# Altium PCB H-00491.PcbDoc (part 1 of 2) (continued)
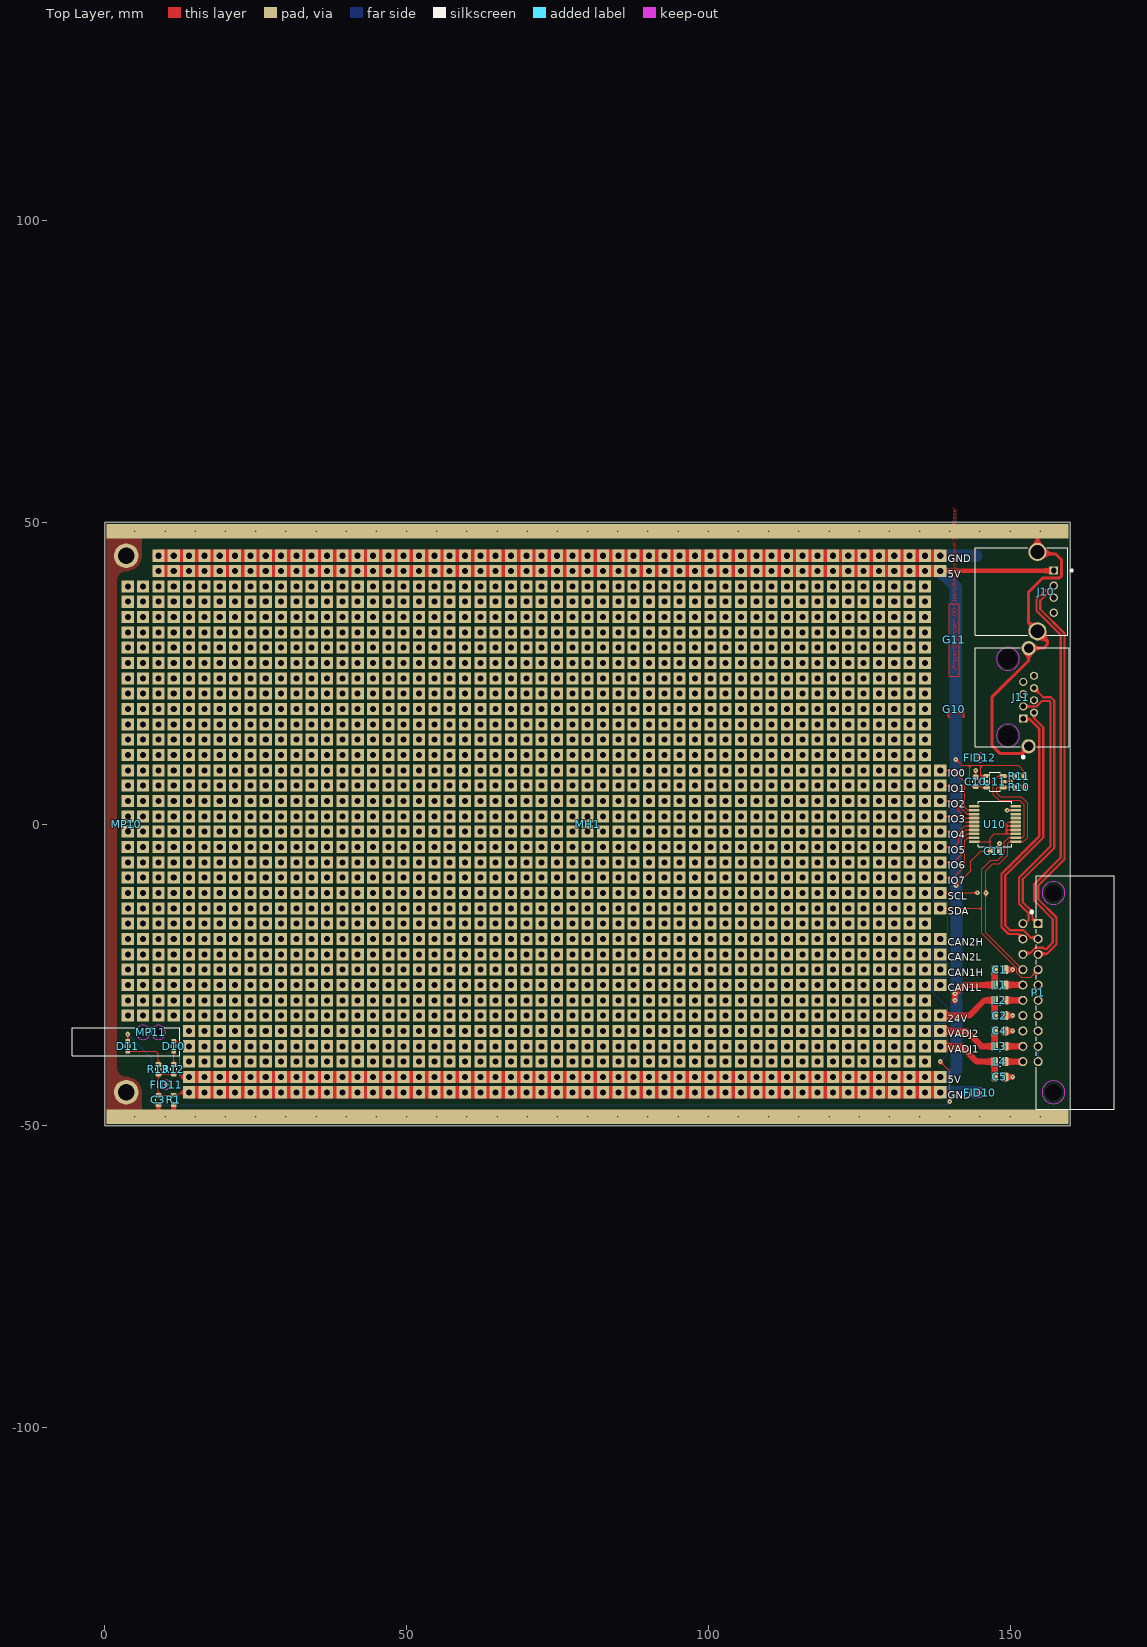
[diagram p0: Top Layer view]
## Free pads (board coordinates)
  rect 2x2 hole 1: 0(3.81,-31.75) 0(3.81,-29.21) 0(3.81,-26.67) 0(3.81,-24.13) 0(3.81,-21.59) 0(3.81,-19.05) 0(3.81,-16.51) 0(3.81,-13.97) 0(3.81,-11.43) 0(3.81,-8.89) 0(3.81,-6.35) 0(3.81,-3.81) 0(3.81,-1.27) 0(3.81,1.27) 0(3.81,3.81) 0(3.81,6.35) 0(3.81,8.89) 0(3.81,11.43) 0(3.81,13.97) 0(3.81,16.51) 0(3.81,19.05) 0(3.81,21.59) 0(3.81,24.13) 0(3.81,26.67) 0(3.81,29.21) 0(3.81,31.75) 0(3.81,34.29) 0(3.81,36.83) 0(3.81,39.37) 0(6.35,-31.75) 0(6.35,-29.21) 0(6.35,-26.67) 0(6.35,-24.13) 0(6.35,-21.59) 0(6.35,-19.05) 0(6.35,-16.51) 0(6.35,-13.97) 0(6.35,-11.43) 0(6.35,-8.89) 0(6.35,-6.35) 0(6.35,-3.81) 0(6.35,-1.27) 0(6.35,1.27) 0(6.35,3.81) 0(6.35,6.35) 0(6.35,8.89) 0(6.35,11.43) 0(6.35,13.97) 0(6.35,16.51) 0(6.35,19.05) 0(6.35,21.59) 0(6.35,24.13) 0(6.35,26.67) 0(6.35,29.21) 0(6.35,31.75) 0(6.35,34.29) 0(6.35,36.83) 0(6.35,39.37) 0(8.89,-31.75) 0(8.89,-29.21) 0(8.89,-26.67) 0(8.89,-24.13) 0(8.89,-21.59) 0(8.89,-19.05) 0(8.89,-16.51) 0(8.89,-13.97) 0(8.89,-11.43) 0(8.89,-8.89) 0(8.89,-6.35) 0(8.89,-3.81) 0(8.89,-1.27) 0(8.89,1.27) 0(8.89,3.81) 0(8.89,6.35) 0(8.89,8.89) 0(8.89,11.43) 0(8.89,13.97) 0(8.89,16.51) 0(8.89,19.05) 0(8.89,21.59) 0(8.89,24.13) 0(8.89,26.67) 0(8.89,29.21) 0(8.89,31.75) 0(8.89,34.29) 0(8.89,36.83) 0(8.89,39.37) 0(8.89,41.91) 0(8.89,44.45) 0(11.43,-31.75) 0(11.43,-29.21) 0(11.43,-26.67) 0(11.43,-24.13) 0(11.43,-21.59) 0(11.43,-19.05) 0(11.43,-16.51) 0(11.43,-13.97) 0(11.43,-11.43) 0(11.43,-8.89) 0(11.43,-6.35) 0(11.43,-3.81) 0(11.43,-1.27) 0(11.43,1.27) 0(11.43,3.81) 0(11.43,6.35) 0(11.43,8.89) 0(11.43,11.43) 0(11.43,13.97) 0(11.43,16.51) 0(11.43,19.05) 0(11.43,21.59) 0(11.43,24.13) 0(11.43,26.67) 0(11.43,29.21) 0(11.43,31.75) 0(11.43,34.29) 0(11.43,36.83) 0(11.43,39.37) 0(11.43,41.91) 0(11.43,44.45) 0(13.97,-44.45) 0(13.97,-41.91) 0(13.97,-39.37) 0(13.97,-36.83) 0(13.97,-34.29) 0(13.97,-31.75) 0(13.97,-29.21) 0(13.97,-26.67) 0(13.97,-24.13) 0(13.97,-21.59) 0(13.97,-19.05) 0(13.97,-16.51) 0(13.97,-13.97) 0(13.97,-11.43) 0(13.97,-8.89) 0(13.97,-6.35) 0(13.97,-3.81) 0(13.97,-1.27) 0(13.97,1.27) 0(13.97,3.81) 0(13.97,6.35) 0(13.97,8.89) 0(13.97,11.43) 0(13.97,13.97) 0(13.97,16.51) 0(13.97,19.05) 0(13.97,21.59) 0(13.97,24.13) 0(13.97,26.67) 0(13.97,29.21) 0(13.97,31.75) 0(13.97,34.29) 0(13.97,36.83) 0(13.97,39.37) 0(13.97,41.91) 0(13.97,44.45) 0(16.51,-44.45) 0(16.51,-41.91) 0(16.51,-39.37) 0(16.51,-36.83) 0(16.51,-34.29) 0(16.51,-31.75) 0(16.51,-29.21) 0(16.51,-26.67) 0(16.51,-24.13) 0(16.51,-21.59) 0(16.51,-19.05) 0(16.51,-16.51) 0(16.51,-13.97) 0(16.51,-11.43) 0(16.51,-8.89) 0(16.51,-6.35) 0(16.51,-3.81) 0(16.51,-1.27) 0(16.51,1.27) 0(16.51,3.81) 0(16.51,6.35) 0(16.51,8.89) 0(16.51,11.43) 0(16.51,13.97) 0(16.51,16.51) 0(16.51,19.05) 0(16.51,21.59) 0(16.51,24.13) 0(16.51,26.67) 0(16.51,29.21) 0(16.51,31.75) 0(16.51,34.29) 0(16.51,36.83) 0(16.51,39.37) 0(16.51,41.91) 0(16.51,44.45) 0(19.05,-44.45) 0(19.05,-41.91) 0(19.05,-39.37) 0(19.05,-36.83) 0(19.05,-34.29) 0(19.05,-31.75) 0(19.05,-29.21) 0(19.05,-26.67) 0(19.05,-24.13) 0(19.05,-21.59) 0(19.05,-19.05) 0(19.05,-16.51) 0(19.05,-13.97) 0(19.05,-11.43) 0(19.05,-8.89) 0(19.05,-6.35) 0(19.05,-3.81) 0(19.05,-1.27) 0(19.05,1.27) 0(19.05,3.81) 0(19.05,6.35) 0(19.05,8.89) 0(19.05,11.43) 0(19.05,13.97) 0(19.05,16.51) 0(19.05,19.05) 0(19.05,21.59) 0(19.05,24.13) 0(19.05,26.67) 0(19.05,29.21) 0(19.05,31.75) 0(19.05,34.29) 0(19.05,36.83) 0(19.05,39.37) 0(19.05,41.91) 0(19.05,44.45) 0(21.59,-44.45) 0(21.59,-41.91) 0(21.59,-39.37) 0(21.59,-36.83) 0(21.59,-34.29) 0(21.59,-31.75) 0(21.59,-29.21) 0(21.59,-26.67) 0(21.59,-24.13) 0(21.59,-21.59) 0(21.59,-19.05) 0(21.59,-16.51) 0(21.59,-13.97) 0(21.59,-11.43) 0(21.59,-8.89) 0(21.59,-6.35) 0(21.59,-3.81) 0(21.59,-1.27) 0(21.59,1.27) 0(21.59,3.81) 0(21.59,6.35) 0(21.59,8.89) 0(21.59,11.43) 0(21.59,13.97) 0(21.59,16.51) 0(21.59,19.05) 0(21.59,21.59) 0(21.59,24.13) 0(21.59,26.67) 0(21.59,29.21) 0(21.59,31.75) 0(21.59,34.29) 0(21.59,36.83) 0(21.59,39.37) 0(21.59,41.91) 0(21.59,44.45) 0(24.13,-44.45) 0(24.13,-41.91) 0(24.13,-39.37) 0(24.13,-36.83) 0(24.13,-34.29) 0(24.13,-31.75) 0(24.13,-29.21) 0(24.13,-26.67) 0(24.13,-24.13) 0(24.13,-21.59) 0(24.13,-19.05) 0(24.13,-16.51) 0(24.13,-13.97) 0(24.13,-11.43) 0(24.13,-8.89) 0(24.13,-6.35) 0(24.13,-3.81) 0(24.13,-1.27) 0(24.13,1.27) 0(24.13,3.81) 0(24.13,6.35) 0(24.13,8.89) 0(24.13,11.43) 0(24.13,13.97) 0(24.13,16.51) 0(24.13,19.05) 0(24.13,21.59) 0(24.13,24.13) 0(24.13,26.67) 0(24.13,29.21) 0(24.13,31.75) 0(24.13,34.29) 0(24.13,36.83) 0(24.13,39.37) 0(24.13,41.91) 0(24.13,44.45) 0(26.67,-44.45) 0(26.67,-41.91) 0(26.67,-39.37) 0(26.67,-36.83) 0(26.67,-34.29) 0(26.67,-31.75) 0(26.67,-29.21) 0(26.67,-26.67) 0(26.67,-24.13) 0(26.67,-21.59) 0(26.67,-19.05) 0(26.67,-16.51) 0(26.67,-13.97) 0(26.67,-11.43) 0(26.67,-8.89) 0(26.67,-6.35) 0(26.67,-3.81) 0(26.67,-1.27) 0(26.67,1.27) 0(26.67,3.81) 0(26.67,6.35) 0(26.67,8.89) 0(26.67,11.43) 0(26.67,13.97) 0(26.67,16.51) 0(26.67,19.05) 0(26.67,21.59) 0(26.67,24.13) 0(26.67,26.67) 0(26.67,29.21) 0(26.67,31.75) 0(26.67,34.29) 0(26.67,36.83) 0(26.67,39.37) 0(26.67,41.91) 0(26.67,44.45) 0(29.21,-44.45) 0(29.21,-41.91) 0(29.21,-39.37) 0(29.21,-36.83) 0(29.21,-34.29) 0(29.21,-31.75) 0(29.21,-29.21) 0(29.21,-26.67) 0(29.21,-24.13) 0(29.21,-21.59) 0(29.21,-19.05) 0(29.21,-16.51) 0(29.21,-13.97) 0(29.21,-11.43) 0(29.21,-8.89) 0(29.21,-6.35) 0(29.21,-3.81) 0(29.21,-1.27) 0(29.21,1.27) 0(29.21,3.81) 0(29.21,6.35) 0(29.21,8.89) 0(29.21,11.43) 0(29.21,13.97) 0(29.21,16.51) 0(29.21,19.05) 0(29.21,21.59) 0(29.21,24.13) 0(29.21,26.67) 0(29.21,29.21) 0(29.21,31.75) 0(29.21,34.29) 0(29.21,36.83) 0(29.21,39.37) 0(29.21,41.91) 0(29.21,44.45) 0(31.75,-44.45) 0(31.75,-41.91) 0(31.75,-39.37) 0(31.75,-36.83) 0(31.75,-34.29) 0(31.75,-31.75) 0(31.75,-29.21) 0(31.75,-26.67) 0(31.75,-24.13) 0(31.75,-21.59) 0(31.75,-19.05) 0(31.75,-16.51) 0(31.75,-13.97) 0(31.75,-11.43) 0(31.75,-8.89) 0(31.75,-6.35) 0(31.75,-3.81) 0(31.75,-1.27) 0(31.75,1.27) 0(31.75,3.81) 0(31.75,6.35) 0(31.75,8.89) 0(31.75,11.43) 0(31.75,13.97) 0(31.75,16.51) 0(31.75,19.05) 0(31.75,21.59) 0(31.75,24.13) 0(31.75,26.67) 0(31.75,29.21) 0(31.75,31.75) 0(31.75,34.29) 0(31.75,36.83) 0(31.75,39.37) 0(31.75,41.91) 0(31.75,44.45) 0(34.29,-44.45) 0(34.29,-41.91) 0(34.29,-39.37) 0(34.29,-36.83) 0(34.29,-34.29) 0(34.29,-31.75) 0(34.29,-29.21) 0(34.29,-26.67) 0(34.29,-24.13) 0(34.29,-21.59) 0(34.29,-19.05) 0(34.29,-16.51) 0(34.29,-13.97) 0(34.29,-11.43) 0(34.29,-8.89) 0(34.29,-6.35) 0(34.29,-3.81) 0(34.29,-1.27) 0(34.29,1.27) 0(34.29,3.81) 0(34.29,6.35) 0(34.29,8.89) 0(34.29,11.43) 0(34.29,13.97) 0(34.29,16.51) 0(34.29,19.05) 0(34.29,21.59) 0(34.29,24.13) 0(34.29,26.67) 0(34.29,29.21) 0(34.29,31.75) 0(34.29,34.29) 0(34.29,36.83) 0(34.29,39.37) 0(34.29,41.91) 0(34.29,44.45) 0(36.83,-44.45) 0(36.83,-41.91) 0(36.83,-39.37) 0(36.83,-36.83) 0(36.83,-34.29) 0(36.83,-31.75) 0(36.83,-29.21) 0(36.83,-26.67) 0(36.83,-24.13) 0(36.83,-21.59) 0(36.83,-19.05) 0(36.83,-16.51) 0(36.83,-13.97) 0(36.83,-11.43) 0(36.83,-8.89) 0(36.83,-6.35) 0(36.83,-3.81) 0(36.83,-1.27) 0(36.83,1.27) 0(36.83,3.81) 0(36.83,6.35) 0(36.83,8.89) 0(36.83,11.43) 0(36.83,13.97) 0(36.83,16.51) 0(36.83,19.05) 0(36.83,21.59) 0(36.83,24.13) 0(36.83,26.67) 0(36.83,29.21) 0(36.83,31.75) 0(36.83,34.29) 0(36.83,36.83) 0(36.83,39.37) 0(36.83,41.91) 0(36.83,44.45) 0(39.37,-44.45) 0(39.37,-41.91) 0(39.37,-39.37) 0(39.37,-36.83) 0(39.37,-34.29) 0(39.37,-31.75) 0(39.37,-29.21) 0(39.37,-26.67) 0(39.37,-24.13) 0(39.37,-21.59) 0(39.37,-19.05) 0(39.37,-16.51) 0(39.37,-13.97) 0(39.37,-11.43) 0(39.37,-8.89) 0(39.37,-6.35) 0(39.37,-3.81) 0(39.37,-1.27) 0(39.37,1.27) 0(39.37,3.81) 0(39.37,6.35) 0(39.37,8.89) 0(39.37,11.43) 0(39.37,13.97) 0(39.37,16.51) 0(39.37,19.05) 0(39.37,21.59) 0(39.37,24.13) 0(39.37,26.67) 0(39.37,29.21) 0(39.37,31.75) 0(39.37,34.29) 0(39.37,36.83) 0(39.37,39.37) 0(39.37,41.91) 0(39.37,44.45) 0(41.91,-44.45) 0(41.91,-41.91) 0(41.91,-39.37) 0(41.91,-36.83) 0(41.91,-34.29) 0(41.91,-31.75) 0(41.91,-29.21) 0(41.91,-26.67) 0(41.91,-24.13) 0(41.91,-21.59) 0(41.91,-19.05) 0(41.91,-16.51) 0(41.91,-13.97) 0(41.91,-11.43) 0(41.91,-8.89) 0(41.91,-6.35) 0(41.91,-3.81) 0(41.91,-1.27) 0(41.91,1.27) 0(41.91,3.81) 0(41.91,6.35) 0(41.91,8.89) 0(41.91,11.43) 0(41.91,13.97) 0(41.91,16.51) 0(41.91,19.05) 0(41.91,21.59) 0(41.91,24.13) 0(41.91,26.67) 0(41.91,29.21) 0(41.91,31.75) 0(41.91,34.29) 0(41.91,36.83) 0(41.91,39.37) 0(41.91,41.91) 0(41.91,44.45) 0(44.45,-44.45) 0(44.45,-41.91) 0(44.45,-39.37) 0(44.45,-36.83) 0(44.45,-34.29) 0(44.45,-31.75) 0(44.45,-29.21) 0(44.45,-26.67) 0(44.45,-24.13) 0(44.45,-21.59) 0(44.45,-19.05) 0(44.45,-16.51) 0(44.45,-13.97) 0(44.45,-11.43) 0(44.45,-8.89) 0(44.45,-6.35) 0(44.45,-3.81) 0(44.45,-1.27) 0(44.45,1.27) 0(44.45,3.81) 0(44.45,6.35) 0(44.45,8.89) 0(44.45,11.43) 0(44.45,13.97) 0(44.45,16.51) 0(44.45,19.05) 0(44.45,21.59) 0(44.45,24.13) 0(44.45,26.67) 0(44.45,29.21) 0(44.45,31.75) 0(44.45,34.29) 0(44.45,36.83) 0(44.45,39.37) 0(44.45,41.91) 0(44.45,44.45) 0(46.99,-44.45) 0(46.99,-41.91) 0(46.99,-39.37) 0(46.99,-36.83) 0(46.99,-34.29) 0(46.99,-31.75) 0(46.99,-29.21) 0(46.99,-26.67) 0(46.99,-24.13) 0(46.99,-21.59) 0(46.99,-19.05) 0(46.99,-16.51) 0(46.99,-13.97) 0(46.99,-11.43) 0(46.99,-8.89) 0(46.99,-6.35) 0(46.99,-3.81) 0(46.99,-1.27) 0(46.99,1.27) 0(46.99,3.81) 0(46.99,6.35) 0(46.99,8.89) 0(46.99,11.43) 0(46.99,13.97) 0(46.99,16.51) 0(46.99,19.05) 0(46.99,21.59) 0(46.99,24.13) 0(46.99,26.67) 0(46.99,29.21) 0(46.99,31.75) 0(46.99,34.29) 0(46.99,36.83) 0(46.99,39.37) 0(46.99,41.91) 0(46.99,44.45) 0(49.53,-44.45) 0(49.53,-41.91) 0(49.53,-39.37) 0(49.53,-36.83) 0(49.53,-34.29) 0(49.53,-31.75) 0(49.53,-29.21) 0(49.53,-26.67) 0(49.53,-24.13) 0(49.53,-21.59) 0(49.53,-19.05) 0(49.53,-16.51) 0(49.53,-13.97) 0(49.53,-11.43) 0(49.53,-8.89) 0(49.53,-6.35) 0(49.53,-3.81) 0(49.53,-1.27) 0(49.53,1.27) 0(49.53,3.81) 0(49.53,6.35) 0(49.53,8.89) 0(49.53,11.43) 0(49.53,13.97) 0(49.53,16.51) 0(49.53,19.05) 0(49.53,21.59) 0(49.53,24.13) 0(49.53,26.67) 0(49.53,29.21) 0(49.53,31.75) 0(49.53,34.29) 0(49.53,36.83) 0(49.53,39.37) 0(49.53,41.91) 0(49.53,44.45) 0(52.07,-44.45) 0(52.07,-41.91) 0(52.07,-39.37) 0(52.07,-36.83) 0(52.07,-34.29) 0(52.07,-31.75) 0(52.07,-29.21) 0(52.07,-26.67) 0(52.07,-24.13) 0(52.07,-21.59) 0(52.07,-19.05) 0(52.07,-16.51) 0(52.07,-13.97) 0(52.07,-11.43) 0(52.07,-8.89) 0(52.07,-6.35) 0(52.07,-3.81) 0(52.07,-1.27) 0(52.07,1.27) 0(52.07,3.81) 0(52.07,6.35) 0(52.07,8.89) 0(52.07,11.43) 0(52.07,13.97) 0(52.07,16.51) 0(52.07,19.05) 0(52.07,21.59) 0(52.07,24.13) 0(52.07,26.67) 0(52.07,29.21) 0(52.07,31.75) 0(52.07,34.29) 0(52.07,36.83) 0(52.07,39.37) 0(52.07,41.91) 0(52.07,44.45) 0(54.61,-44.45) 0(54.61,-41.91) 0(54.61,-39.37) 0(54.61,-36.83) 0(54.61,-34.29) 0(54.61,-31.75) 0(54.61,-29.21) 0(54.61,-26.67) 0(54.61,-24.13) 0(54.61,-21.59) 0(54.61,-19.05) 0(54.61,-16.51) 0(54.61,-13.97) 0(54.61,-11.43) 0(54.61,-8.89) 0(54.61,-6.35) 0(54.61,-3.81) 0(54.61,-1.27) 0(54.61,1.27) 0(54.61,3.81) 0(54.61,6.35) 0(54.61,8.89) 0(54.61,11.43) 0(54.61,13.97) 0(54.61,16.51) 0(54.61,19.05) 0(54.61,21.59) 0(54.61,24.13) 0(54.61,26.67) 0(54.61,29.21) 0(54.61,31.75) 0(54.61,34.29) 0(54.61,36.83) 0(54.61,39.37) 0(54.61,41.91) 0(54.61,44.45) 0(57.15,-44.45) 0(57.15,-41.91) 0(57.15,-39.37) 0(57.15,-36.83) 0(57.15,-34.29) 0(57.15,-31.75) 0(57.15,-29.21) 0(57.15,-26.67) 0(57.15,-24.13) 0(57.15,-21.59) 0(57.15,-19.05) 0(57.15,-16.51) 0(57.15,-13.97) 0(57.15,-11.43) 0(57.15,-8.89) 0(57.15,-6.35) 0(57.15,-3.81) 0(57.15,-1.27) 0(57.15,1.27) 0(57.15,3.81) 0(57.15,6.35) 0(57.15,8.89) 0(57.15,11.43) 0(57.15,13.97) 0(57.15,16.51) 0(57.15,19.05) 0(57.15,21.59) 0(57.15,24.13) 0(57.15,26.67) 0(57.15,29.21) 0(57.15,31.75) 0(57.15,34.29) 0(57.15,36.83) 0(57.15,39.37) 0(57.15,41.91) 0(57.15,44.45) 0(59.69,-44.45) 0(59.69,-41.91) 0(59.69,-39.37) 0(59.69,-36.83) 0(59.69,-34.29) 0(59.69,-31.75) 0(59.69,-29.21) 0(59.69,-26.67) 0(59.69,-24.13) 0(59.69,-21.59) 0(59.69,-19.05) 0(59.69,-16.51) 0(59.69,-13.97) 0(59.69,-11.43) 0(59.69,-8.89) 0(59.69,-6.35) 0(59.69,-3.81) 0(59.69,-1.27) 0(59.69,1.27) 0(59.69,3.81) 0(59.69,6.35) 0(59.69,8.89) 0(59.69,11.43) 0(59.69,13.97) 0(59.69,16.51) 0(59.69,19.05) 0(59.69,21.59) 0(59.69,24.13) 0(59.69,26.67) 0(59.69,29.21) 0(59.69,31.75) 0(59.69,34.29) 0(59.69,36.83) 0(59.69,39.37) 0(59.69,41.91) 0(59.69,44.45) 0(62.23,-44.45) 0(62.23,-41.91) 0(62.23,-39.37) 0(62.23,-36.83) 0(62.23,-34.29) 0(62.23,-31.75) 0(62.23,-29.21) 0(62.23,-26.67) 0(62.23,-24.13) 0(62.23,-21.59) 0(62.23,-19.05) 0(62.23,-16.51) 0(62.23,-13.97) 0(62.23,-11.43) 0(62.23,-8.89) 0(62.23,-6.35) 0(62.23,-3.81) 0(62.23,-1.27) 0(62.23,1.27) 0(62.23,3.81) 0(62.23,6.35) 0(62.23,8.89) 0(62.23,11.43) 0(62.23,13.97) 0(62.23,16.51) 0(62.23,19.05) 0(62.23,21.59) 0(62.23,24.13) 0(62.23,26.67) 0(62.23,29.21) 0(62.23,31.75) 0(62.23,34.29) 0(62.23,36.83) 0(62.23,39.37) 0(62.23,41.91) 0(62.23,44.45) 0(64.77,-44.45) 0(64.77,-41.91) 0(64.77,-39.37) 0(64.77,-36.83) 0(64.77,-34.29) 0(64.77,-31.75) 0(64.77,-29.21) 0(64.77,-26.67) 0(64.77,-24.13) 0(64.77,-21.59) 0(64.77,-19.05) 0(64.77,-16.51) 0(64.77,-13.97) 0(64.77,-11.43) 0(64.77,-8.89) 0(64.77,-6.35) 0(64.77,-3.81) 0(64.77,-1.27) 0(64.77,1.27) 0(64.77,3.81) 0(64.77,6.35) 0(64.77,8.89) 0(64.77,11.43) 0(64.77,13.97) 0(64.77,16.51) 0(64.77,19.05) 0(64.77,21.59) 0(64.77,24.13) 0(64.77,26.67) 0(64.77,29.21) 0(64.77,31.75) 0(64.77,34.29) 0(64.77,36.83) 0(64.77,39.37) 0(64.77,41.91) 0(64.77,44.45) 0(67.31,-44.45) 0(67.31,-41.91) 0(67.31,-39.37) 0(67.31,-36.83) 0(67.31,-34.29) 0(67.31,-31.75) 0(67.31,-29.21) 0(67.31,-26.67) 0(67.31,-24.13) 0(67.31,-21.59) 0(67.31,-19.05) 0(67.31,-16.51) 0(67.31,-13.97) 0(67.31,-11.43) 0(67.31,-8.89) 0(67.31,-6.35) 0(67.31,-3.81) 0(67.31,-1.27) 0(67.31,1.27) 0(67.31,3.81) 0(67.31,6.35) 0(67.31,8.89) 0(67.31,11.43) 0(67.31,13.97) 0(67.31,16.51) 0(67.31,19.05) 0(67.31,21.59) 0(67.31,24.13) 0(67.31,26.67) 0(67.31,29.21) 0(67.31,31.75) 0(67.31,34.29) 0(67.31,36.83) 0(67.31,39.37) 0(67.31,41.91) 0(67.31,44.45) 0(69.85,-44.45) 0(69.85,-41.91) 0(69.85,-39.37) 0(69.85,-36.83) 0(69.85,-34.29) 0(69.85,-31.75) 0(69.85,-29.21) 0(69.85,-26.67) 0(69.85,-24.13) 0(69.85,-21.59) 0(69.85,-19.05) 0(69.85,-16.51) 0(69.85,-13.97) 0(69.85,-11.43) 0(69.85,-8.89) 0(69.85,-6.35) 0(69.85,-3.81) 0(69.85,-1.27) 0(69.85,1.27) 0(69.85,3.81) 0(69.85,6.35) 0(69.85,8.89) 0(69.85,11.43) 0(69.85,13.97) 0(69.85,16.51) 0(69.85,19.05) 0(69.85,21.59) 0(69.85,24.13) 0(69.85,26.67) 0(69.85,29.21) 0(69.85,31.75) 0(69.85,34.29) 0(69.85,36.83) 0(69.85,39.37) 0(69.85,41.91) 0(69.85,44.45) 0(72.39,-44.45) 0(72.39,-41.91) 0(72.39,-39.37) 0(72.39,-36.83) 0(72.39,-34.29) 0(72.39,-31.75) 0(72.39,-29.21) 0(72.39,-26.67) 0(72.39,-24.13) 0(72.39,-21.59) 0(72.39,-19.05) 0(72.39,-16.51) 0(72.39,-13.97) 0(72.39,-11.43) 0(72.39,-8.89) 0(72.39,-6.35) 0(72.39,-3.81) 0(72.39,-1.27) 0(72.39,1.27) 0(72.39,3.81) 0(72.39,6.35) 0(72.39,8.89) 0(72.39,11.43) 0(72.39,13.97) 0(72.39,16.51) 0(72.39,19.05) 0(72.39,21.59) 0(72.39,24.13) 0(72.39,26.67) 0(72.39,29.21) 0(72.39,31.75) 0(72.39,34.29) 0(72.39,36.83) 0(72.39,39.37) 0(72.39,41.91) 0(72.39,44.45) 0(74.93,-44.45) 0(74.93,-41.91) 0(74.93,-39.37) 0(74.93,-36.83) 0(74.93,-34.29) 0(74.93,-31.75) 0(74.93,-29.21) 0(74.93,-26.67) 0(74.93,-24.13) 0(74.93,-21.59) 0(74.93,-19.05) 0(74.93,-16.51) 0(74.93,-13.97) 0(74.93,-11.43) 0(74.93,-8.89) 0(74.93,-6.35) 0(74.93,-3.81) 0(74.93,-1.27) 0(74.93,1.27) 0(74.93,3.81) 0(74.93,6.35) 0(74.93,8.89) 0(74.93,11.43) 0(74.93,13.97) 0(74.93,16.51) 0(74.93,19.05) 0(74.93,21.59) 0(74.93,24.13) 0(74.93,26.67) 0(74.93,29.21) 0(74.93,31.75) 0(74.93,34.29) 0(74.93,36.83) 0(74.93,39.37) 0(74.93,41.91) 0(74.93,44.45) 0(77.47,-44.45) 0(77.47,-41.91) 0(77.47,-39.37) 0(77.47,-36.83) 0(77.47,-34.29) 0(77.47,-31.75) 0(77.47,-29.21) 0(77.47,-26.67) 0(77.47,-24.13) 0(77.47,-21.59) 0(77.47,-19.05) 0(77.47,-16.51) 0(77.47,-13.97) 0(77.47,-11.43) 0(77.47,-8.89) 0(77.47,-6.35) 0(77.47,-3.81) 0(77.47,-1.27) 0(77.47,1.27) 0(77.47,3.81) 0(77.47,6.35) 0(77.47,8.89) 0(77.47,11.43) 0(77.47,13.97) 0(77.47,16.51) 0(77.47,19.05) 0(77.47,21.59) 0(77.47,24.13) 0(77.47,26.67) 0(77.47,29.21) 0(77.47,31.75) 0(77.47,34.29) 0(77.47,36.83) 0(77.47,39.37) 0(77.47,41.91) 0(77.47,44.45) 0(80.01,-44.45) 0(80.01,-41.91) 0(80.01,-39.37) 0(80.01,-36.83) 0(80.01,-34.29) 0(80.01,-31.75) 0(80.01,-29.21) 0(80.01,-26.67) 0(80.01,-24.13) 0(80.01,-21.59) 0(80.01,-19.05) 0(80.01,-16.51) 0(80.01,-13.97) 0(80.01,-11.43) 0(80.01,-8.89) 0(80.01,-6.35) 0(80.01,-3.81) 0(80.01,-1.27) 0(80.01,1.27) 0(80.01,3.81) 0(80.01,6.35) 0(80.01,8.89) 0(80.01,11.43) 0(80.01,13.97) 0(80.01,16.51) 0(80.01,19.05) 0(80.01,21.59) 0(80.01,24.13) 0(80.01,26.67) 0(80.01,29.21) 0(80.01,31.75) 0(80.01,34.29) 0(80.01,36.83) 0(80.01,39.37) 0(80.01,41.91) 0(80.01,44.45) 0(82.55,-44.45) 0(82.55,-41.91) 0(82.55,-39.37) 0(82.55,-36.83) 0(82.55,-34.29) 0(82.55,-31.75) 0(82.55,-29.21) 0(82.55,-26.67) 0(82.55,-24.13) 0(82.55,-21.59) 0(82.55,-19.05) 0(82.55,-16.51) 0(82.55,-13.97) 0(82.55,-11.43) 0(82.55,-8.89) 0(82.55,-6.35) 0(82.55,-3.81) 0(82.55,-1.27) 0(82.55,1.27) 0(82.55,3.81) 0(82.55,6.35) 0(82.55,8.89) 0(82.55,11.43) 0(82.55,13.97) 0(82.55,16.51) 0(82.55,19.05) 0(82.55,21.59) 0(82.55,24.13) 0(82.55,26.67) 0(82.55,29.21) 0(82.55,31.75) 0(82.55,34.29) 0(82.55,36.83) 0(82.55,39.37) 0(82.55,41.91) 0(82.55,44.45) 0(85.09,-44.45) 0(85.09,-41.91) 0(85.09,-39.37) 0(85.09,-36.83) 0(85.09,-34.29) 0(85.09,-31.75) 0(85.09,-29.21) 0(85.09,-26.67) 0(85.09,-24.13) 0(85.09,-21.59) 0(85.09,-19.05) 0(85.09,-16.51) 0(85.09,-13.97) 0(85.09,-11.43) 0(85.09,-8.89) 0(85.09,-6.35) 0(85.09,-3.81) 0(85.09,-1.27) 0(85.09,1.27) 0(85.09,3.81) 0(85.09,6.35) 0(85.09,8.89) 0(85.09,11.43) 0(85.09,13.97) 0(85.09,16.51) 0(85.09,19.05) 0(85.09,21.59) 0(85.09,24.13) 0(85.09,26.67) 0(85.09,29.21) 0(85.09,31.75) 0(85.09,34.29) 0(85.09,36.83) 0(85.09,39.37) 0(85.09,41.91) 0(85.09,44.45) 0(87.63,-44.45) 0(87.63,-41.91) 0(87.63,-39.37) 0(87.63,-36.83) 0(87.63,-34.29) 0(87.63,-31.75) 0(87.63,-29.21) 0(87.63,-26.67) 0(87.63,-24.13) 0(87.63,-21.59) 0(87.63,-19.05) 0(87.63,-16.51) 0(87.63,-13.97) 0(87.63,-11.43) 0(87.63,-8.89) 0(87.63,-6.35) 0(87.63,-3.81) 0(87.63,-1.27) 0(87.63,1.27) 0(87.63,3.81) 0(87.63,6.35) 0(87.63,8.89) 0(87.63,11.43) 0(87.63,13.97) 0(87.63,16.51) 0(87.63,19.05) 0(87.63,21.59) 0(87.63,24.13) 0(87.63,26.67) 0(87.63,29.21) 0(87.63,31.75) 0(87.63,34.29) 0(87.63,36.83) 0(87.63,39.37) 0(87.63,41.91) 0(87.63,44.45) 0(90.17,-44.45) 0(90.17,-41.91) 0(90.17,-39.37) 0(90.17,-36.83) 0(90.17,-34.29) 0(90.17,-31.75) 0(90.17,-29.21) 0(90.17,-26.67) 0(90.17,-24.13) 0(90.17,-21.59) 0(90.17,-19.05) 0(90.17,-16.51) 0(90.17,-13.97) 0(90.17,-11.43) 0(90.17,-8.89) 0(90.17,-6.35) 0(90.17,-3.81) 0(90.17,-1.27) 0(90.17,1.27) 0(90.17,3.81) 0(90.17,6.35) 0(90.17,8.89) 0(90.17,11.43) 0(90.17,13.97) 0(90.17,16.51) 0(90.17,19.05) 0(90.17,21.59) 0(90.17,24.13) 0(90.17,26.67) 0(90.17,29.21) 0(90.17,31.75) 0(90.17,34.29) 0(90.17,36.83) 0(90.17,39.37) 0(90.17,41.91) 0(90.17,44.45) 0(92.71,-44.45) 0(92.71,-41.91) 0(92.71,-39.37) 0(92.71,-36.83) 0(92.71,-34.29) 0(92.71,-31.75) 0(92.71,-29.21) 0(92.71,-26.67) 0(92.71,-24.13) 0(92.71,-21.59) 0(92.71,-19.05) 0(92.71,-16.51) 0(92.71,-13.97) 0(92.71,-11.43) 0(92.71,-8.89) 0(92.71,-6.35) 0(92.71,-3.81) 0(92.71,-1.27) 0(92.71,1.27) 0(92.71,3.81) 0(92.71,6.35) 0(92.71,8.89) 0(92.71,11.43) 0(92.71,13.97) 0(92.71,16.51) 0(92.71,19.05) 0(92.71,21.59) 0(92.71,24.13) 0(92.71,26.67) 0(92.71,29.21) 0(92.71,31.75) 0(92.71,34.29) 0(92.71,36.83) 0(92.71,39.37) 0(92.71,41.91) 0(92.71,44.45) 0(95.25,-44.45) 0(95.25,-41.91) 0(95.25,-39.37) 0(95.25,-36.83) 0(95.25,-34.29) 0(95.25,-31.75) 0(95.25,-29.21) 0(95.25,-26.67) 0(95.25,-24.13) 0(95.25,-21.59) 0(95.25,-19.05) 0(95.25,-16.51) 0(95.25,-13.97) 0(95.25,-11.43) 0(95.25,-8.89) 0(95.25,-6.35) 0(95.25,-3.81) 0(95.25,-1.27) 0(95.25,1.27) 0(95.25,3.81) 0(95.25,6.35) 0(95.25,8.89) 0(95.25,11.43) 0(95.25,13.97) 0(95.25,16.51) 0(95.25,19.05) 0(95.25,21.59) 0(95.25,24.13) 0(95.25,26.67) 0(95.25,29.21) 0(95.25,31.75) 0(95.25,34.29) 0(95.25,36.83) 0(95.25,39.37) 0(95.25,41.91) 0(95.25,44.45) 0(97.79,-44.45) 0(97.79,-41.91) 0(97.79,-39.37) 0(97.79,-36.83) 0(97.79,-34.29) 0(97.79,-31.75) 0(97.79,-29.21) 0(97.79,-26.67) 0(97.79,-24.13) 0(97.79,-21.59) 0(97.79,-19.05) 0(97.79,-16.51) 0(97.79,-13.97) 0(97.79,-11.43) 0(97.79,-8.89) 0(97.79,-6.35) 0(97.79,-3.81) 0(97.79,-1.27) 0(97.79,1.27) 0(97.79,3.81) 0(97.79,6.35) 0(97.79,8.89) 0(97.79,11.43) 0(97.79,13.97) 0(97.79,16.51) 0(97.79,19.05) 0(97.79,21.59) 0(97.79,24.13) 0(97.79,26.67) 0(97.79,29.21) 0(97.79,31.75) 0(97.79,34.29) 0(97.79,36.83) 0(97.79,39.37) 0(97.79,41.91) 0(97.79,44.45) 0(100.33,-44.45) 0(100.33,-41.91) 0(100.33,-39.37) 0(100.33,-36.83) 0(100.33,-34.29) 0(100.33,-31.75) 0(100.33,-29.21) 0(100.33,-26.67) 0(100.33,-24.13) 0(100.33,-21.59) 0(100.33,-19.05) 0(100.33,-16.51) 0(100.33,-13.97) 0(100.33,-11.43) 0(100.33,-8.89) 0(100.33,-6.35) 0(100.33,-3.81) 0(100.33,-1.27) 0(100.33,1.27) 0(100.33,3.81) 0(100.33,6.35) 0(100.33,8.89) 0(100.33,11.43) 0(100.33,13.97) 0(100.33,16.51) 0(100.33,19.05) 0(100.33,21.59) 0(100.33,24.13) 0(100.33,26.67) 0(100.33,29.21) 0(100.33,31.75) 0(100.33,34.29) 0(100.33,36.83) 0(100.33,39.37) 0(100.33,41.91) 0(100.33,44.45) 0(102.87,-44.45) 0(102.87,-41.91) 0(102.87,-39.37) 0(102.87,-36.83) 0(102.87,-34.29) 0(102.87,-31.75) 0(102.87,-29.21) 0(102.87,-26.67) 0(102.87,-24.13) 0(102.87,-21.59) 0(102.87,-19.05) 0(102.87,-16.51) 0(102.87,-13.97) 0(102.87,-11.43) 0(102.87,-8.89) 0(102.87,-6.35) 0(102.87,-3.81) 0(102.87,-1.27) 0(102.87,1.27) 0(102.87,3.81) 0(102.87,6.35) 0(102.87,8.89) 0(102.87,11.43) 0(102.87,13.97) 0(102.87,16.51) 0(102.87,19.05) 0(102.87,21.59) 0(102.87,24.13) 0(102.87,26.67) 0(102.87,29.21) 0(102.87,31.75) 0(102.87,34.29) 0(102.87,36.83) 0(102.87,39.37) 0(102.87,41.91) 0(102.87,44.45) 0(105.41,-44.45) 0(105.41,-41.91) 0(105.41,-39.37) 0(105.41,-36.83) 0(105.41,-34.29) 0(105.41,-31.75) 0(105.41,-29.21) 0(105.41,-26.67) 0(105.41,-24.13) 0(105.41,-21.59) 0(105.41,-19.05) 0(105.41,-16.51) 0(105.41,-13.97) 0(105.41,-11.43) 0(105.41,-8.89) 0(105.41,-6.35) 0(105.41,-3.81) 0(105.41,-1.27) 0(105.41,1.27) 0(105.41,3.81) 0(105.41,6.35) 0(105.41,8.89) 0(105.41,11.43) 0(105.41,13.97) 0(105.41,16.51) 0(105.41,19.05) 0(105.41,21.59) 0(105.41,24.13) 0(105.41,26.67) 0(105.41,29.21) 0(105.41,31.75) 0(105.41,34.29) 0(105.41,36.83) 0(105.41,39.37) 0(105.41,41.91) 0(105.41,44.45) 0(107.95,-44.45) 0(107.95,-41.91) 0(107.95,-39.37) 0(107.95,-36.83) 0(107.95,-34.29) 0(107.95,-31.75) 0(107.95,-29.21) 0(107.95,-26.67) 0(107.95,-24.13) 0(107.95,-21.59) 0(107.95,-19.05) 0(107.95,-16.51) 0(107.95,-13.97) 0(107.95,-11.43) 0(107.95,-8.89) 0(107.95,-6.35) 0(107.95,-3.81) 0(107.95,-1.27) 0(107.95,1.27) 0(107.95,3.81) 0(107.95,6.35) 0(107.95,8.89) 0(107.95,11.43) 0(107.95,13.97) 0(107.95,16.51) 0(107.95,19.05) 0(107.95,21.59) 0(107.95,24.13) 0(107.95,26.67) 0(107.95,29.21) 0(107.95,31.75) 0(107.95,34.29) 0(107.95,36.83) 0(107.95,39.37) 0(107.95,41.91) 0(107.95,44.45) 0(110.49,-44.45) 0(110.49,-41.91) 0(110.49,-39.37) 0(110.49,-36.83) 0(110.49,-34.29) 0(110.49,-31.75) 0(110.49,-29.21) 0(110.49,-26.67) 0(110.49,-24.13) 0(110.49,-21.59) 0(110.49,-19.05) 0(110.49,-16.51) 0(110.49,-13.97) 0(110.49,-11.43) 0(110.49,-8.89) 0(110.49,-6.35) 0(110.49,-3.81) 0(110.49,-1.27) 0(110.49,1.27) 0(110.49,3.81) 0(110.49,6.35) 0(110.49,8.89) 0(110.49,11.43) 0(110.49,13.97) 0(110.49,16.51) 0(110.49,19.05) 0(110.49,21.59) 0(110.49,24.13) 0(110.49,26.67) 0(110.49,29.21) 0(110.49,31.75) 0(110.49,34.29) 0(110.49,36.83) 0(110.49,39.37) 0(110.49,41.91) 0(110.49,44.45) 0(113.03,-44.45) 0(113.03,-41.91) 0(113.03,-39.37) 0(113.03,-36.83) 0(113.03,-34.29) 0(113.03,-31.75) 0(113.03,-29.21) 0(113.03,-26.67) 0(113.03,-24.13) 0(113.03,-21.59) 0(113.03,-19.05) 0(113.03,-16.51) 0(113.03,-13.97) 0(113.03,-11.43) 0(113.03,-8.89) 0(113.03,-6.35) 0(113.03,-3.81) 0(113.03,-1.27) 0(113.03,1.27) 0(113.03,3.81) 0(113.03,6.35) 0(113.03,8.89) 0(113.03,11.43) 0(113.03,13.97) 0(113.03,16.51) 0(113.03,19.05) 0(113.03,21.59) 0(113.03,24.13) 0(113.03,26.67) 0(113.03,29.21) 0(113.03,31.75) 0(113.03,34.29) 0(113.03,36.83) 0(113.03,39.37) 0(113.03,41.91) 0(113.03,44.45) 0(115.57,-44.45) 0(115.57,-41.91) 0(115.57,-39.37) 0(115.57,-36.83) 0(115.57,-34.29) 0(115.57,-31.75) 0(115.57,-29.21) 0(115.57,-26.67) 0(115.57,-24.13) 0(115.57,-21.59) 0(115.57,-19.05) 0(115.57,-16.51) 0(115.57,-13.97) 0(115.57,-11.43) 0(115.57,-8.89) 0(115.57,-6.35) 0(115.57,-3.81) 0(115.57,-1.27) 0(115.57,1.27) 0(115.57,3.81) 0(115.57,6.35) 0(115.57,8.89) 0(115.57,11.43) 0(115.57,13.97) 0(115.57,16.51) 0(115.57,19.05) 0(115.57,21.59) 0(115.57,24.13) 0(115.57,26.67) 0(115.57,29.21) 0(115.57,31.75) 0(115.57,34.29) 0(115.57,36.83) 0(115.57,39.37) 0(115.57,41.91) 0(115.57,44.45) 0(118.11,-44.45) 0(118.11,-41.91) 0(118.11,-39.37) 0(118.11,-36.83) 0(118.11,-34.29) 0(118.11,-31.75) 0(118.11,-29.21) 0(118.11,-26.67) 0(118.11,-24.13) 0(118.11,-21.59) 0(118.11,-19.05) 0(118.11,-16.51) 0(118.11,-13.97) 0(118.11,-11.43) 0(118.11,-8.89) 0(118.11,-6.35) 0(118.11,-3.81) 0(118.11,-1.27) 0(118.11,1.27) 0(118.11,3.81) 0(118.11,6.35) 0(118.11,8.89) 0(118.11,11.43) 0(118.11,13.97) 0(118.11,16.51) 0(118.11,19.05) 0(118.11,21.59) 0(118.11,24.13) 0(118.11,26.67) 0(118.11,29.21) 0(118.11,31.75) 0(118.11,34.29) 0(118.11,36.83) 0(118.11,39.37) 0(118.11,41.91) 0(118.11,44.45) 0(120.65,-44.45) 0(120.65,-41.91) 0(120.65,-39.37) 0(120.65,-36.83) 0(120.65,-34.29) 0(120.65,-31.75) 0(120.65,-29.21) 0(120.65,-26.67) 0(120.65,-24.13) 0(120.65,-21.59) 0(120.65,-19.05) 0(120.65,-16.51) 0(120.65,-13.97) 0(120.65,-11.43) 0(120.65,-8.89) 0(120.65,-6.35) 0(120.65,-3.81) 0(120.65,-1.27) 0(120.65,1.27) 0(120.65,3.81) 0(120.65,6.35) 0(120.65,8.89) 0(120.65,11.43) 0(120.65,13.97) 0(120.65,16.51) 0(120.65,19.05) 0(120.65,21.59) 0(120.65,24.13) 0(120.65,26.67) 0(120.65,29.21) 0(120.65,31.75) 0(120.65,34.29) 0(120.65,36.83) 0(120.65,39.37) 0(120.65,41.91) 0(120.65,44.45) 0(123.19,-44.45) 0(123.19,-41.91) 0(123.19,-39.37) 0(123.19,-36.83) 0(123.19,-34.29) 0(123.19,-31.75) 0(123.19,-29.21) 0(123.19,-26.67) 0(123.19,-24.13) 0(123.19,-21.59) 0(123.19,-19.05) 0(123.19,-16.51) 0(123.19,-13.97) 0(123.19,-11.43) 0(123.19,-8.89) 0(123.19,-6.35) 0(123.19,-3.81) 0(123.19,-1.27) 0(123.19,1.27) 0(123.19,3.81) 0(123.19,6.35) 0(123.19,8.89) 0(123.19,11.43) 0(123.19,13.97) 0(123.19,16.51) 0(123.19,19.05) 0(123.19,21.59) 0(123.19,24.13) 0(123.19,26.67) 0(123.19,29.21) 0(123.19,31.75) 0(123.19,34.29) 0(123.19,36.83) 0(123.19,39.37) 0(123.19,41.91) 0(123.19,44.45) 0(125.73,-44.45) 0(125.73,-41.91) 0(125.73,-39.37) 0(125.73,-36.83) 0(125.73,-34.29) 0(125.73,-31.75) 0(125.73,-29.21) 0(125.73,-26.67) 0(125.73,-24.13) 0(125.73,-21.59) 0(125.73,-19.05) 0(125.73,-16.51) 0(125.73,-13.97) 0(125.73,-11.43) 0(125.73,-8.89) 0(125.73,-6.35) 0(125.73,-3.81) 0(125.73,-1.27) 0(125.73,1.27) 0(125.73,3.81) 0(125.73,6.35) 0(125.73,8.89) 0(125.73,11.43) 0(125.73,13.97) 0(125.73,16.51) 0(125.73,19.05) 0(125.73,21.59) 0(125.73,24.13) 0(125.73,26.67) 0(125.73,29.21) 0(125.73,31.75) 0(125.73,34.29) 0(125.73,36.83) 0(125.73,39.37) 0(125.73,41.91) 0(125.73,44.45) 0(128.27,-44.45) 0(128.27,-41.91) 0(128.27,-39.37) 0(128.27,-36.83) 0(128.27,-34.29) 0(128.27,-31.75) 0(128.27,-29.21) 0(128.27,-26.67) 0(128.27,-24.13) 0(128.27,-21.59) 0(128.27,-19.05) 0(128.27,-16.51) 0(128.27,-13.97) 0(128.27,-11.43) 0(128.27,-8.89) 0(128.27,-6.35) 0(128.27,-3.81) 0(128.27,-1.27) 0(128.27,1.27) 0(128.27,3.81) 0(128.27,6.35) 0(128.27,8.89) 0(128.27,11.43) 0(128.27,13.97) 0(128.27,16.51) 0(128.27,19.05) 0(128.27,21.59) 0(128.27,24.13) 0(128.27,26.67) 0(128.27,29.21) 0(128.27,31.75) 0(128.27,34.29) 0(128.27,36.83) 0(128.27,39.37) 0(128.27,41.91) 0(128.27,44.45) 0(130.81,-44.45) 0(130.81,-41.91) 0(130.81,-39.37) 0(130.81,-36.83) 0(130.81,-34.29) 0(130.81,-31.75) 0(130.81,-29.21) 0(130.81,-26.67) 0(130.81,-24.13) 0(130.81,-21.59) 0(130.81,-19.05) 0(130.81,-16.51) 0(130.81,-13.97) 0(130.81,-11.43) 0(130.81,-8.89) 0(130.81,-6.35) 0(130.81,-3.81) 0(130.81,-1.27) 0(130.81,1.27) 0(130.81,3.81) 0(130.81,6.35) 0(130.81,8.89) 0(130.81,11.43) 0(130.81,13.97) 0(130.81,16.51) 0(130.81,19.05) 0(130.81,21.59) 0(130.81,24.13) 0(130.81,26.67) 0(130.81,29.21) 0(130.81,31.75) 0(130.81,34.29) 0(130.81,36.83) 0(130.81,39.37) 0(130.81,41.91) 0(130.81,44.45) 0(133.35,-44.45) 0(133.35,-41.91) 0(133.35,-39.37) 0(133.35,-36.83) 0(133.35,-34.29) 0(133.35,-31.75) 0(133.35,-29.21) 0(133.35,-26.67) 0(133.35,-24.13) 0(133.35,-21.59) 0(133.35,-19.05) 0(133.35,-16.51) 0(133.35,-13.97) 0(133.35,-11.43) 0(133.35,-8.89) 0(133.35,-6.35) 0(133.35,-3.81) 0(133.35,-1.27) 0(133.35,1.27) 0(133.35,3.81) 0(133.35,6.35) 0(133.35,8.89) 0(133.35,11.43) 0(133.35,13.97) 0(133.35,16.51) 0(133.35,19.05) 0(133.35,21.59) 0(133.35,24.13) 0(133.35,26.67) 0(133.35,29.21) 0(133.35,31.75) 0(133.35,34.29) 0(133.35,36.83) 0(133.35,39.37) 0(133.35,41.91) 0(133.35,44.45) 0(135.89,-44.45) 0(135.89,-41.91) 0(135.89,-39.37) 0(135.89,-36.83) 0(135.89,-34.29) 0(135.89,-31.75) 0(135.89,-29.21) 0(135.89,-26.67) 0(135.89,-24.13) 0(135.89,-21.59) 0(135.89,-19.05) 0(135.89,-16.51) 0(135.89,-13.97) 0(135.89,-11.43) 0(135.89,-8.89) 0(135.89,-6.35) 0(135.89,-3.81) 0(135.89,-1.27) 0(135.89,1.27) 0(135.89,3.81) 0(135.89,6.35) 0(135.89,8.89) 0(135.89,11.43) 0(135.89,13.97) 0(135.89,16.51) 0(135.89,19.05) 0(135.89,21.59) 0(135.89,24.13) 0(135.89,26.67) 0(135.89,29.21) 0(135.89,31.75) 0(135.89,34.29) 0(135.89,36.83) 0(135.89,39.37) 0(135.89,41.91) 0(135.89,44.45) 0(138.43,-44.45) 0(138.43,-41.91) 0(138.43,-36.83) 0(138.43,-34.29) 0(138.43,-31.75) 0(138.43,-26.67) 0(138.43,-24.13) 0(138.43,-21.59) 0(138.43,-19.05) 0(138.43,-13.97) 0(138.43,-11.43) 0(138.43,-8.89) 0(138.43,-6.35) 0(138.43,-3.81) 0(138.43,-1.27) 0(138.43,1.27) 0(138.43,3.81) 0(138.43,6.35) 0(138.43,8.89) 0(138.43,41.91) 0(138.43,44.45)

## Via types
v1: diameter 0.8, hole 0.25, Top Layer to Bottom Layer, 77 vias